# KiCad board Lime_RFE.kicad_pcb (continued)
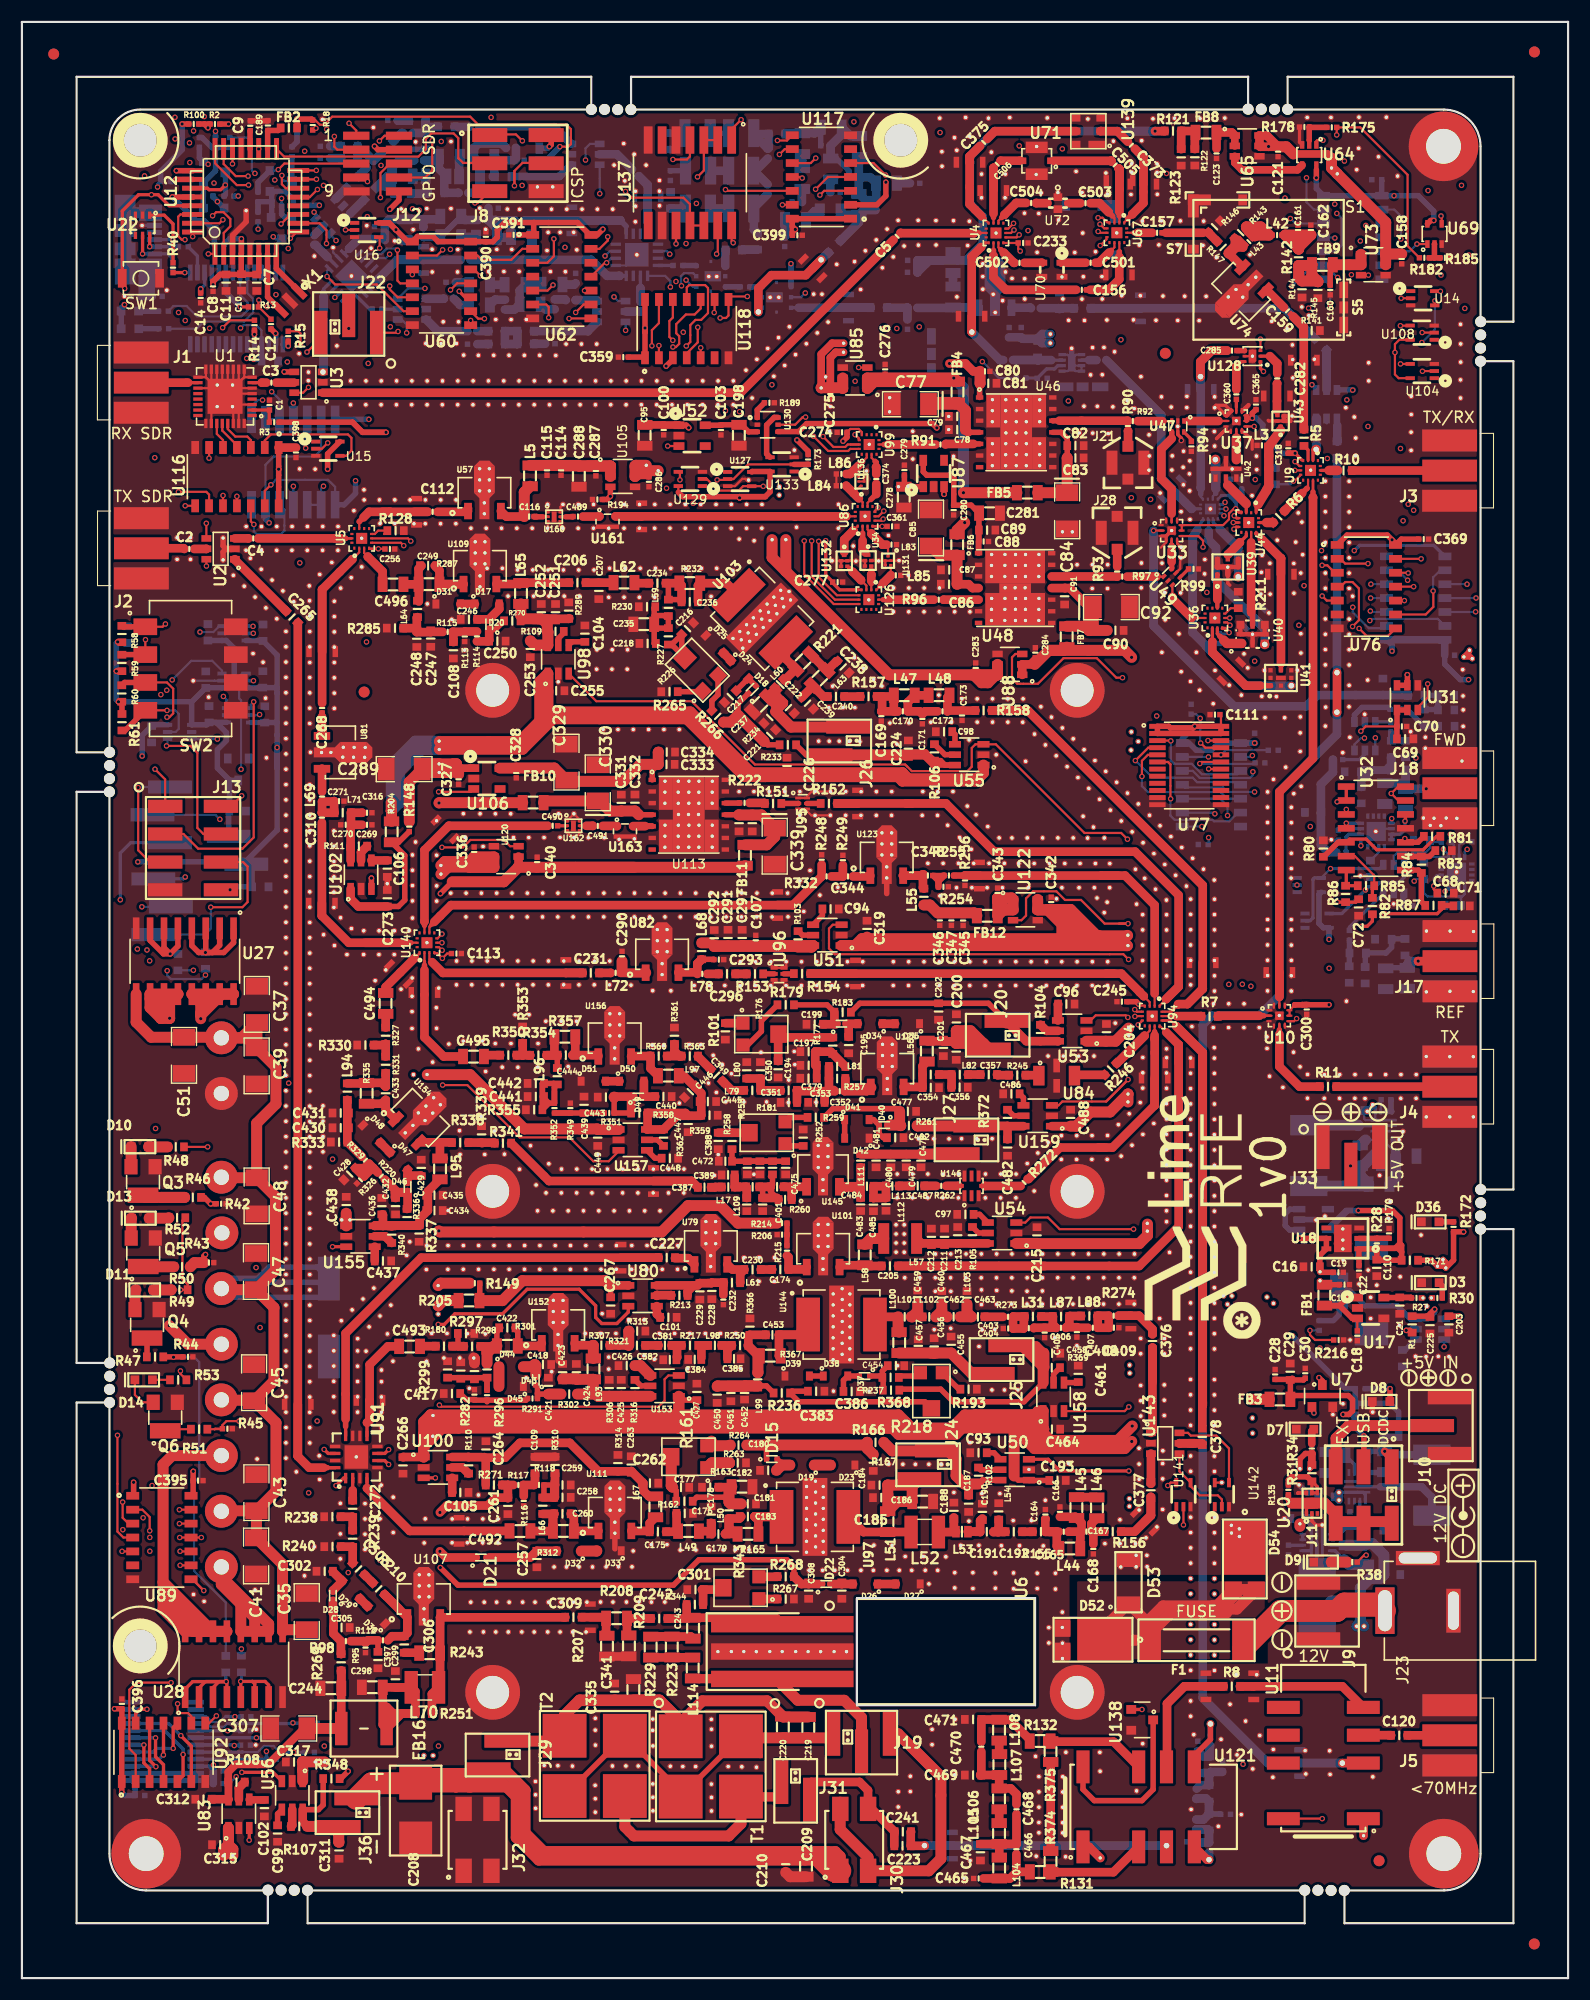
[diagram p0: board, top side]
## Placement (name value [footprint] x y rotation side) (continued)
C251  100pF_0603_GRM1885C2A101JA01D  [SMD0603]  48.7 124.64 270 top
C252  27pF_0603_C0603C270J5GAC  [SMD0603]  47.4 124.64 270 top
C253  1nF_0603_06035C102KAT2A  [SMD0603]  46.4 121.29 270 top
C254  33pF_0402_GCM1555C1H330FA16J  [SMD0402]  35.35 166.88 180 bottom
C255  1uF_0603_TMK107BJ105KA-T  [SMD0603]  48.76 117.48 180 top
C256  100pF_0402_GCM1555C1H101JA16D  [SMD0402]  33.58 130.41 0 top
C257  100nF_0603_C0603C104M5RACTU  [SMD0603]  47 38.24 270 top
C258  100pF_0603_GRM1885C2A101JA01D  [SMD0603]  49.33 43.87 0 top
C259  27pF_0603_C0603C270J5GAC  [SMD0603]  49.33 45 0 top
C260  47pF_0603_GRM1885C2A470JA01J  [SMD0603]  49.33 42.37 180 top
C261  100nF_0603_C0603C104M5RACTU  [SMD0603]  44.35 43.09 270 top
C262  100pF_0603_GRM1885C2A101JA01D  [SMD0603]  57.31 45.16 180 top
C263  27pF_0603_C0603C270J5GAC  [SMD0603]  55.61 46.87 270 top
C264  1nF_0603_06035C102KAT2A  [SMD0603]  42.35 48.24 90 top
C265  100nF_0603_C0603C104M5RACTU  [SMD0603]  24.65 124.21 135 top
C266  1uF_0603_TMK107BJ105KA-T  [SMD0603]  34.77 46.78 90 top
C267  1uF_0603_TMK107BJ105KA-T  [SMD0603]  53.72 61.37 90 top
C268  56pF_0402_GCM1555C1H560JA16D  [SMD0402]  27.4 115.9 270 top
C269  56pF_0402_GCM1555C1H560JA16D  [SMD0402]  31.5 105.24 180 top
C270  22pF_0402_CC0402JRNPO9BN220  [SMD0402]  29.55 105.24 0 top
C271  500f_0402_GRM1555C2AR50BA01D  [SMD0402]  28.94 107.4 0 top
C272  100nF_0603_C0603C104M5RACTU  [SMD0603]  30.18 42.83 90 top
C273  1uF_0603_TMK107BJ105KA-T  [SMD0603]  33.35 98.54 270 top
C274  100pF_0402_GCM1555C1H101JA16D  [SMD0402]  74.85 141.06 180 top
C275  0.1uF_0402_Murata  [SMD0402]  73.77 144.55 270 top
C276  0.1uF_0402_Murata  [SMD0402]  78.77 146.81 90 top
C277  100pF_0402_GCM1555C1H101JA16D  [SMD0402]  74.44 127.39 0 top
C278  10uF_0805_25V_Taiyo  [SMD0805]  80.48 135.14 270 top
C279  0.1uF_0402_Murata  [SMD0402]  80.53 137.61 90 top
C280  0.1uF_0402_Murata  [SMD0402]  85.03 133.96 270 top
C281  10uF_0805_25V_Taiyo  [SMD0805]  88.3 133.68 0 top
C282  1000pF_0402_Murata  [SMD0402]  114.56 145.98 90 top
C283  0.1uF_0402_Murata  [SMD0402]  87.04 119.56 90 top
C284  0.1uF_0402_Murata  [SMD0402]  92.48 120.95 90 top
C285  1000pF_0402_Murata  [SMD0402]  110.43 148.52 180 top
C286  0.1uF_0402_Murata  [SMD0402]  57.22 136.54 270 top
C287  0.1uF_0402_Murata  [SMD0402]  52.38 137.53 270 top
C288  10uF_0805_TMK212BBJ106MG-T  [SMD0805]  50.84 137.04 270 top
C289  10uF_1206_Taiyo  [SMD1206]  34.88 110.32 180 top
C290  400f_0402_GJM1555C1HR40WB01D  [SMD0402]  54.76 93.24 90 top
C291  100pF_0603_GRM1885C2A101JA01D  [SMD0603]  64.43 94.91 90 top
C292  18pF_0603_GRM1885C1H180JA01J  [SMD0603]  63.18 94.89 90 top
C293  700f_0402_GRM1555C2AR70BA01D  [SMD0402]  63.6 92.94 0 top
C294  100nF_0603_C0603C104M5RACTU  [SMD0603]  118.52 149.08 315 bottom
C295  18pF_0402_GCQ1555C1H180FB01D  [SMD0402]  35.22 168.37 0 bottom
C296  18pF_0603_GRM1885C1H180JA01J  [SMD0603]  64.35 91.64 180 top
C297  1nF_0603_06035C102KAT2A  [SMD0603]  65.73 94.91 90 top
C298  1uF_0805  [SMD0805]  31.97 26.53 180 top
C299  100nF_0603_C0603C104M5RACTU  [SMD0603]  34.08 27.27 90 top
C300  100pF_0402_GCM1555C1H101JA16D  [SMD0402]  117.25 88.39 270 top
C301  100nF_0603_C0603C104M5RACTU  [SMD0603]  61.47 35.45 0 top
C302  100nF_0603_C0603C104M5RACTU  [SMD0603]  27.63 37.12 180 top
C303  100nF_0603_C0603C104M5RACTU  [SMD0603]  30.72 37.34 135 top
C304  100nF_0603_C0603C104M5RACTU  [SMD0603]  74.82 35.36 270 top
C305  100nF_0603_C0603C104M5RACTU  [SMD0603]  29.17 31.99 0 top
C306  1500pF_0603_GRM1885C1H152JA01D  [SMD0603]  34.88 30.44 90 top
C307  10uF_1206_Taiyo  [SMD1206]  24.36 22.78 180 top
C308  100nF_0603_C0603C104M5RACTU  [SMD0603]  71.79 35.36 270 top
C309  100nF_0603_C0603C104M5RACTU  [SMD0603]  50.33 32.93 180 top
C310  56pF_0402_GCM1555C1H560JA16D  [SMD0402]  27.37 105.89 270 top
C311  1nF_0603_06035C102KAT2A  [SMD0603]  28.94 11.64 270 top
C312  1nF_0603_06035C102KAT2A  [SMD0603]  16.57 16.32 180 top
C313  100nF_0603_C0603C104M5RACTU  [SMD0603]  120.01 139.49 90 bottom
C314  330pF_0402_GCM1555C1H331FA16D  [SMD0402]  27.68 167.17 180 bottom
C315  1uF_0603_TMK107BJ105KA-T  [SMD0603]  18.09 12.17 0 top
C316  100nF_0402_GRM155R71C104KA88J  [SMD0402]  31.5 106.34 0 top
C317  1uF_0603_TMK107BJ105KA-T  [SMD0603]  24.84 19.72 0 top
C318  100pF_0402_GCM1555C1H101JA16D  [SMD0402]  115.56 139.6 90 top
C319  1uF_0603_TMK107BJ105KA-T  [SMD0603]  77.13 95.74 270 top
C320  91pF_0402_GRM1555C1H910GA01D  [SMD0402]  45.4 165.89 0 bottom
C321  18pF_0402_GJM1555C1H180GB01D  [SMD0402]  44.63 167.02 0 bottom
C322  180pF_0603_06035A181GAT2A  [SMD0603]  42.56 162.91 0 bottom
C323  27pF_0402_04025U270GAT2A  [SMD0402]  40.29 162.91 0 bottom
C324  180pF_0603_06035A181GAT2A  [SMD0603]  37.8 162.92 180 bottom
C325  6pF_0402_GCM1555C1H6R0FA16D  [SMD0402]  36.25 165.87 0 bottom
C326  100pF_0603_06035A101GAT2A  [SMD0603]  34.72 162.85 0 bottom
C327  0.1uF_0402_Murata  [SMD0402]  39.85 109.39 270 top
C328  0.1uF_0402_Murata  [SMD0402]  45.11 109.97 270 top
C329  10uF_1206_Taiyo  [SMD1206]  49.7 110.96 90 top
C330  10uF_1206_Tantalum_Kemet  [SMD1206_TANTAL]  52.55 109.07 90 top
C331  0.1uF_0603_Murata  [SMD0603]  54.7 107.24 90 top
C332  1nF_0603_Murata_GCJ  [SMD0603]  55.94 107.26 90 top
C333  0.01uF_0603_Murata  [SMD0603]  58.82 110.76 0 top
C334  100pF_0603_Murata_GCM  [SMD0603]  58.85 111.88 0 top
C335  100nF_0603_C0603C104M5RACTU  [SMD0603]  54.09 26.13 270 top
C336  0.1uF_0402_Murata  [SMD0402]  41.27 102.76 90 top
C337  1nF_0603_Murata_GCJ  [SMD0603]  65.45 105.39 270 top
C338  0.1uF_0603_Murata  [SMD0603]  66.65 105.39 270 top
C339  10uF_1206_Tantalum_Kemet  [SMD1206_TANTAL]  68.7 103.29 270 top
C340  0.1uF_0402_Murata  [SMD0402]  47.02 101.84 90 top
C341  1uF_0805  [SMD0805]  55.81 26.33 270 top
C342  100nF_0402_GRM155R71C104KA88J  [SMD0402]  93.93 98.19 90 top
C343  100nF_0402_GRM155R71C104KA88J  [SMD0402]  89.04 99.02 90 top
C344  15pF_0402_Murata  [SMD0402]  75.38 100.54 180 top
C345  100nF_0402_GRM155R71C104KA88J  [SMD0402]  85.89 96.51 270 top
C346  100pF_0402_Murata  [SMD0402]  83.76 96.52 90 top
C347  15pF_0402_Murata  [SMD0402]  84.82 96.52 90 top
C348  15pF_0402_Murata  [SMD0402]  82.67 100.61 180 top
C349  2.7pF_0603_KEMET  [SMD0603]  63.4 82.39 135 top
C350  3.9pF_0603_KEMET  [SMD0603]  67.4 82.84 270 top
C351  120pF_0603_KEMET  [SMD0603]  69.97 81.01 180 top
C352  3.9pF_0603_KEMET  [SMD0603]  72.5 79.91 180 top
C353  22pF_0603  [SMD0402]  74.63 80.94 180 top
C354  1.5pF_0603_KEMET  [SMD0603]  82.94 81.26 0 top
C355  330pF_0603_GCM1885C2A331FA16D  [SMD0603]  82.94 82.45 0 top
C356  5.6pF_0603_CBR06C569D5GAC  [SMD0603]  85.57 81.29 0 top
C357  1pF_0603_Kemet  [SMD0603]  88.23 82.45 180 top
C358  1uF_0402_GCM155C71A105KE38D  [SMD0402]  126.48 97.87 180 bottom
C359  100nF_0402_GRM155R71C104KA88J  [SMD0402]  54.88 147.92 0 top
C360  1000pF_0402_Murata  [SMD0402]  110.82 144.52 270 top
C361  100pF_0402_GCM1555C1H101JA16D  [SMD0402]  79.4 132.48 0 top
C362  100nF_0402_GRM155R71C104KA88J  [SMD0402]  130.29 120.73 180 bottom
C363  100pF_0402_GCM1555C1H101JA16D  [SMD0402]  111.29 136.33 90 bottom
C364  100pF_0402_GCM1555C1H101JA16D  [SMD0402]  110.32 136.34 90 bottom
C365  100pF_0402_GCM1555C1H101JA16D  [SMD0402]  112.61 143.59 90 top
C366  56pF_0402_GCM1555C1H560FA16D  [SMD0402]  27.67 166.08 180 bottom
C367  27pF_0402_GCM1555C1H270FA16D  [SMD0402]  31.78 165.52 45 bottom
C368  100pF_0402_GCM1555C1H101JA16D  [SMD0402]  109.27 122.23 270 bottom
C369  100nF_0402_GRM155R71C104KA88J  [SMD0402]  127.92 131.31 180 top
C370  100nF_0402_CC0402ZRY5V7BB104  [SMD0402]  41.11 149.11 180 bottom
C371  100nF_0402_CC0402ZRY5V7BB104  [SMD0402]  48.2 149.14 0 bottom
C372  100nF_0402_CC0402ZRY5V7BB104  [SMD0402]  41.11 150.29 0 bottom
C373  1000pF_0402_GRM1555C1H102FA01D  [SMD0402]  101.24 167.26 315 top
C374  1000pF_0402_Murata  [SMD0402]  77.97 136.79 90 top
C375  1000pF_0402_GRM1555C1H102FA01D  [SMD0402]  87.77 167.52 45 top
C376  1500pF_0603_GRM1885C1H152JA01D  [SMD0603]  103.17 58.14 90 top
C377  1500pF_0603_GRM1885C1H152JA01D  [SMD0603]  103.02 44.51 90 top
C378  1500pF_0603_GRM1885C1H152JA01D  [SMD0603]  107.72 49.39 90 top
C379  47nF_0603_Kemet  [SMD0603]  71.78 82.11 180 top
C380  47nF_0603_Kemet  [SMD0603]  85.26 84.54 90 top
C381  120pF_0603_KEMET  [SMD0603_gap05]  58.68 57.74 180 top
C382  18pF_0603_Kemet  [SMD0603_gap05]  59.13 56.43 180 top
C383  100nF_0603_C0603C104M5RACTU  [SMD0603]  72.48 53.55 180 top
C384  15pF_0603_Kemet  [SMD0603_gap05]  61.4 56.45 180 top
C385  8.2pF_0603_Kemet  [SMD0603_gap05]  64.98 56.52 0 top
C386  100nF_0603_C0603C104M5RACTU  [SMD0603]  75.72 53.53 0 top
C387  4pF_0603_Kemet  [SMD0603_gap05]  62.28 72.17 180 top
C388  100nF_0603_C0603C104M5RACTU  [SMD0603]  63.55 76.39 90 top
C389  3.1pF_0603_Kemet_CBR  [SMD0603_gap05]  64.45 73.29 0 top
C390  100nF_0402_GRM155R71C104KA88J  [SMD0402]  42.34 158.9 270 top
C391  100nF_0402_GRM155R71C104KA88J  [SMD0402]  44.88 159.07 0 top
C392  100nF_0402_GRM155R71C104KA88J  [SMD0402]  123.64 164.11 0 bottom
C393  2.2nF_0402_GRM155R71E222KA01D  [SMD0402]  124.49 80.15 0 bottom
C394  100nF_0402_GRM155R71C104KA88J  [SMD0402]  112.49 113.16 270 bottom
C395  100nF_0402_GRM155R71C104KA88J  [SMD0402]  16.08 45.39 180 top
C396  100nF_0402_GRM155R71C104KA88J  [SMD0402]  9.12 25.02 270 top
C397  100nF_0603_C0603C104M5RACTU  [SMD0603]  32.49 29.02 270 top
C398  100nF_0402_GRM155R71C104KA88J  [SMD0402]  25.01 139.21 90 top
C399  100nF_0402_GRM155R71C104KA88J  [SMD0402]  70.76 159.04 180 top
C400  5pF_0603_Kemet  [SMD0603_gap05]  66.68 72.21 180 top
C401  8.2pF_0603_Kemet  [SMD0603_gap05]  67.6 70.59 270 top
C402  100nF_0603_C0603C104M5RACTU  [SMD0603]  79.7 76.69 0 top
C403  9.2pF_0402_GJM1555C1H9R2BB01D  [SMD0402]  90 59.28 180 top
C404  5.7pF_0402_GRM1555C1H5R7BA01D  [SMD0402]  91.88 59.31 180 top
C405  12pF_0402_GCQ1555C1H120FB01D  [SMD0402]  93.33 58.9 270 top
C406  7.8pF_0402_GRM0225C1E7R8DA03L  [SMD0402]  94.82 59.34 180 top
C407  15pF_0402_GCQ1555C1H150FB01D  [SMD0402]  96.27 58.94 270 top
C408  1pF_0402_GCQ1555C1H1R0BB01D  [SMD0402]  97.73 59.35 180 top
C409  9.6pF_0402_GCQ1555C1H9R6BB01D  [SMD0402]  99.65 59.35 0 top
C410  27pF_0402_GCM1555C1H270FA16D  [SMD0402]  106.76 12.44 180 bottom
C411  22pF_0402_CC0402JRNPO9BN220  [SMD0402]  107.17 14.02 270 bottom
C412  56pF_0402_GCM1555C1H560JA16D  [SMD0402]  109.84 14.94 0 bottom
C413  27pF_0402_GCM1555C1H270FA16D  [SMD0402]  107.21 16.84 270 bottom
C414  68pF_0402_GCM1555C1H680FA16J  [SMD0402]  109.59 19.37 90 bottom
C415  8.1pF_0402_GJM1555C1H8R1BB01D  [SMD0402]  107.23 19.13 270 bottom
C416  47pF_0402_GCQ1555C1H470JB01D  [SMD0402]  107.31 21.17 90 bottom
C417  100nF_0603_C0603C104M5RACTU  [SMD0603]  39.25 53.34 180 top
C418  100nF_0603_C0603C104M5RACTU  [SMD0603]  47.55 55.99 0 top
C419  100pF_0603_GRM1885C2A101JA01D  [SMD0603]  40.05 55.44 90 top
C420  27pF_0603_C0603C270J5GAC  [SMD0603]  41.3 55.39 90 top
C421  100nF_0603_C0603C104M5RACTU  [SMD0603]  48.05 54.04 90 top
C422  47pF_0603_GRM1885C2A470JA01J  [SMD0603]  44.3 59.34 180 top
C423  100pF_0603_GRM1885C2A101JA01D  [SMD0603]  49.35 55.29 270 top
C424  27pF_0603_C0603C270J5GAC  [SMD0603]  50.6 55.29 270 top
C425  1nF_0603_06035C102KAT2A  [SMD0603]  54.7 53.84 90 top
C426  1nF_0603_06035C102KAT2A  [SMD0603]  55.2 55.89 180 top
C427  1uF_0603_TMK107BJ105KA-T  [SMD0603]  61.6 53.49 270 top
C428  100nF_0603_C0603C104M5RACTU  [SMD0603]  29.91 73.37 225 top
C429  100nF_0603_C0603C104M5RACTU  [SMD0603]  36.44 73.93 90 top
C430  100pF_0603_GRM1885C2A101JA01D  [SMD0603]  29.1 77.59 180 top
C431  27pF_0603_C0603C270J5GAC  [SMD0603]  29.1 78.94 180 top
C432  100nF_0603_C0603C104M5RACTU  [SMD0603]  34.1 70.44 270 top
C433  47pF_0603_GRM1885C2A470JA01J  [SMD0603]  33.2 80.74 90 top
C434  100pF_0603_GRM1885C2A101JA01D  [SMD0603]  37.65 70.04 180 top
C435  27pF_0603_C0603C270J5GAC  [SMD0603]  37.65 71.44 180 top
C436  1nF_0603_06035C102KAT2A  [SMD0603]  32.85 70.44 90 top
C437  1nF_0603_06035C102KAT2A  [SMD0603]  32.95 65.44 0 top
C438  1uF_0603_TMK107BJ105KA-T  [SMD0603]  29.6 70.54 270 top
C439  100nF_0603_C0603C104M5RACTU  [SMD0603]  51.3 79.69 90 top
C440  100nF_0603_C0603C104M5RACTU  [SMD0603]  58.55 80.44 0 top
C441  100pF_0603_GRM1885C2A101JA01D  [SMD0603]  46.9 80.44 180 top
C442  27pF_0603_C0603C270J5GAC  [SMD0603]  46.9 81.64 180 top
C443  100nF_0603_C0603C104M5RACTU  [SMD0603]  53.3 80.39 180 top
C444  47pF_0603_GRM1885C2A470JA01J  [SMD0603]  49.64 84.22 180 top
C445  100pF_0603_GRM1885C2A101JA01D  [SMD0603]  62.6 79.99 180 top
C446  27pF_0603_C0603C270J5GAC  [SMD0603]  61 80.89 45 top
C447  1nF_0603_06035C102KAT2A  [SMD0603]  60.8 77.94 270 top
C448  1nF_0603_06035C102KAT2A  [SMD0603]  59.13 74.81 0 top
C449  1uF_0603_TMK107BJ105KA-T  [SMD0603]  52.55 76.69 90 top
C450  1uF_0603_TMK107BJ105KA-T  [SMD0603]  63.45 53.24 270 top
C451  1500pF_0603_GRM1885C1H152JA01D  [SMD0603]  64.7 53.39 270 top
C452  100pF_0603_Kemet  [SMD0603_gap05]  65.95 53.39 270 top
C453  47pF_0603_Kemet  [SMD0603_gap05]  68.49 58.7 180 top
C454  100nF_0603_C0603C104M5RACTU  [SMD0603]  79.76 55.88 0 top
C455  1uF_0603_TMK107BJ105KA-T  [SMD0603]  84.8 57.79 270 top
C456  1500pF_0603_GRM1885C1H152JA01D  [SMD0603]  83.25 57.64 270 top
C457  100pF_0603_Kemet  [SMD0603_gap05]  81.8 57.69 270 top
C458  1nF_0603_06035C102KAT2A  [SMD0603]  94.01 57.02 0 top
C459  47pF_0603_Kemet  [SMD0603_gap05]  81.75 62.14 270 top
C460  1pF_0603_Kemet  [SMD0603_gap05]  83.95 62.09 90 top
C461  1nF_0603_06035C102KAT2A  [SMD0603]  96.4 55.14 90 top
C462  47pF_0603_Kemet  [SMD0603_gap05]  85.03 60.35 180 top
C463  47pF_0603_Kemet  [SMD0603_gap05]  87.24 60.35 180 top
C464  1uF_0603_TMK107BJ105KA-T  [SMD0603]  94 50.09 180 top
C465  91pF_0402_GRM1555C1H910GA01D  [SMD0402]  87.3 9.09 180 top
C466  18pF_0402_GJM1555C1H180GB01D  [SMD0402]  90.75 11.76 270 top
C467  180pF_0603_06035A181GAT2A  [SMD0603]  87.47 11.48 270 top
C468  27pF_0402_04025U270GAT2A  [SMD0402]  90.76 15.4 270 top
C469  180pF_0603_06035A181GAT2A  [SMD0603]  86.8 18.52 180 top
C470  6pF_0402_GCM1555C1H6R0FA16D  [SMD0402]  87.55 21.11 270 top
C471  100pF_0603_06035A101GAT2A  [SMD0603]  86.8 23.6 180 top
C472  10uF_0603_Murata_GRM  [SMD0603_gap05]  64.2 74.54 180 top
C473  47nF_0603_Kemet  [SMD0603_gap05]  66.2 73.94 270 top
C474  100pF_0603_Kemet  [SMD0603_gap05]  67.35 73.94 270 top
C475  27pF_0603_Kemet  [SMD0603_gap05]  69.7 73.94 270 top
C476  22pF_0603_Kemet  [SMD0603_gap05]  68.91 72.21 180 top
C477  100nF_0603_C0603C104M5RACTU  [SMD0603]  80.85 79.09 0 top
C478  10uF_0603_Murata_GRM  [SMD0603_gap05]  82.05 74.59 90 top
C479  47nF_0603_Kemet  [SMD0603_gap05]  80.7 74.59 90 top
C480  100pF_0603_Kemet  [SMD0603_gap05]  79.3 74.59 90 top
C481  27pF_0603_Kemet  [SMD0603_gap05]  77.95 74.59 90 top
C482  1nF_0603_06035C102KAT2A  [SMD0603]  89.95 75.79 270 top
C483  8pF_0603_Kemet  [SMD0603_gap05]  76.53 70.6 270 top
C484  22pF_0603_Kemet  [SMD0603_gap05]  77.11 72.26 180 top
C485  5pF_0603_Kemet  [SMD0603_gap05]  77.71 70.59 270 top
C486  1nF_0603_06035C102KAT2A  [SMD0603]  90.3 80.69 180 top
C487  27pF_0603_Kemet  [SMD0603_gap05]  81.75 72.29 180 top
C488  1uF_0603_TMK107BJ105KA-T  [SMD0603]  95.7 78.49 270 top
C489  100pF_0402_GCM1555C1H101JA16D  [SMD0402]  50.74 133.37 180 top
C490  100pF_0402_GCM1555C1H101JA16D  [SMD0402]  48.44 105.15 180 top
C491  100pF_0402_GCM1555C1H101JA16D  [SMD0402]  52.55 105.14 180 top
C492  150pF_0805  [SMD0805]  45.45 40.81 0 top
C493  150pF_0805  [SMD0805]  35.38 57.65 0 top
C494  150pF_0805  [SMD0805]  33.2 88.94 270 top
C495  150pF_0805  [SMD0805]  41.21 84.1 0 top
C496  47pF_0805_KEMET  [SMD0805]  33.86 127.19 0 top
C497  1uF_0402_GCM155C71A105KE38D  [SMD0402]  50.08 153.13 180 bottom
C498  1uF_0402_GCM155C71A105KE38D  [SMD0402]  38.95 153.26 180 bottom
C499  1uF_0402_GCM155C71A105KE38D  [SMD0402]  45.42 160.41 180 bottom
C500  1uF_0402_GCM155C71A105KE38D  [SMD0402]  32.64 158.69 180 bottom
C501  1000pF_0402_GRM1555C1H102GA01D  [SMD0402]  97.52 156.54 0 top
C502  1000pF_0402_GRM1555C1H102GA01D  [SMD0402]  91.03 156.53 0 top
C503  1000pF_0402_GRM1555C1H102GA01D  [SMD0402]  97.06 161.97 0 top
C504  1000pF_0402_GRM1555C1H102GA01D  [SMD0402]  92.1 161.99 0 top
C505  1000pF_0402_GRM1555C1H102GA01D  [SMD0402]  99.76 165.46 315 top
C506  1000pF_0402_GRM1555C1H102GA01D  [SMD0402]  89 165.53 45 top
C507  10uF_0603_GRM188R61E106KA73J  [SMD0603]  121.74 79.16 0 bottom
C508  10uF_0603_GRM188R61E106KA73J  [SMD0603]  123.98 74.74 90 bottom
CON1  47346-0001  [USB-MINI-B]  9.43 158.64 90 bottom
D1  LED0603_RED  [LED_0603]  9.86 150.51 0 bottom
D2  LED0603_GREEN  [LED_0603]  9.85 152.12 0 bottom
D3  LED0603_GREEN  [LED_0603]  128.53 63.46 180 top
D4  -  [NSR20F30NXT5G]  125.63 49.92 270 bottom
D5  -  [NSR20F30NXT5G]  121.67 51.56 270 bottom
D6  -  [NSR20F30NXT5G]  47.21 166.61 90 bottom
D7  LED0603_GREEN  [LED_0603]  117.1 50.09 180 top
D8  LED0603_GREEN  [LED_0603]  124.03 52.62 180 top
D9  LED0603_GREEN  [LED_0603]  118.68 37.96 180 top
D10  LED0603_GREEN  [LED_0603]  10.77 75.87 180 top
D11  LED0603_GREEN  [LED_0603]  11.2 62.8 180 top
D12  -  [GSOT03-E3-08]  19.74 110.29 0 bottom
D13  LED0603_GREEN  [LED_0603]  10.81 69.34 180 top
D14  LED0603_GREEN  [LED_0603]  11.11 54.59 180 top
D15  ZENER_Diode_5.09V_CDZFHT2RA5.1B  [VMN2]  68.44 47.36 90 top
D16  ZENER_Diode_5.09V_CDZFHT2RA5.1B  [VMN2]  74.8 87.09 90 top
D17  Diode_BAS16HT1G  [BAS16HT1G]  42.45 125.39 0 top
D18  ZENER_Diode_5.09V_CDZFHT2RA5.1B  [VMN2]  66.65 117.59 135 top
D19  Diode_BAS16HT1G  [BAS16HT1G]  71.19 46.81 180 top
D20  ZENER_Diode_5.09V_CDZFHT2RA5.1B  [VMN2]  42.65 123.54 180 top
D21  ZENER_Diode_5.09V_CDZFHT2RA5.1B  [VMN2]  41.88 38.39 90 top
D22  ZENER_Diode_5.09V_CDZFHT2RA5.1B  [VMN2]  73.4 35.97 90 top
D23  Diode_BAS16HT1G  [BAS16HT1G]  74.9 46.81 180 top
D24  Diode_BAS16HT1G  [BAS16HT1G]  65.5 119.39 315 top
D25  Diode_BAS16HT1G  [BAS16HT1G]  63.2 121.74 315 top
D26  Diode_BAS16HT1G  [BAS16HT1G]  76.96 35.96 180 top
D27  Diode_BAS16HT1G  [BAS16HT1G]  80.86 35.97 180 top
D28  ZENER_Diode_5.09V_CDZFHT2RA5.1B  [VMN2]  28.38 34.9 180 top
D29  Diode_BAS16HT1G  [BAS16HT1G]  30.03 35.43 135 top
D30  Diode_BAS16HT1G  [BAS16HT1G]  32.36 33.12 135 top
D31  Diode_BAS16HT1G  [BAS16HT1G]  38.9 125.39 0 top
D32  Diode_BAS16HT1G  [BAS16HT1G]  49.93 38.97 180 top
D33  Diode_BAS16HT1G  [BAS16HT1G]  53.58 38.99 180 top
D34  Diode_BAS16HT1G  [BAS16HT1G]  77.4 87.09 180 top
D35  Diode_BAS16HT1G  [BAS16HT1G]  80.8 87.09 180 top
D36  LED0603_GREEN  [LED_0603]  128.51 69.01 180 top
D37  ZENER_Diode_5.09V_CDZFHT2RA5.1B  [VMN2]  76.9 54.94 270 top
D38  Diode_BAS16HT1G  [BAS16HT1G]  74.25 54.94 0 top
D39  Diode_BAS16HT1G  [BAS16HT1G]  70.75 54.94 0 top
D40  ZENER_Diode_5.09V_CDZFHT2RA5.1B  [VMN2]  78.7 77.84 270 top
D41  Diode_BAS16HT1G  [BAS16HT1G]  76.2 78.34 0 top
D42  Diode_BAS16HT1G  [BAS16HT1G]  76.2 76.64 180 top
D43  ZENER_Diode_5.09V_CDZFHT2RA5.1B  [VMN2]  46.9 54.59 180 top
D44  Diode_BAS16HT1G  [BAS16HT1G]  44.65 55.79 0 top
D45  Diode_BAS16HT1G  [BAS16HT1G]  44.65 53.99 180 top
D46  ZENER_Diode_5.09V_CDZFHT2RA5.1B  [VMN2]  35.2 72.19 180 top
D47  Diode_BAS16HT1G  [BAS16HT1G]  34.4 74.54 315 top
D48  Diode_BAS16HT1G  [BAS16HT1G]  31.9 77.04 315 top
D49  ZENER_Diode_5.09V_CDZFHT2RA5.1B  [VMN2]  56.25 80.44 90 top
D50  Diode_BAS16HT1G  [BAS16HT1G]  55.65 81.84 0 top
D51  Diode_BAS16HT1G  [BAS16HT1G]  52.15 81.84 0 top
D52  Schottky_Diode_PMEG045V100EPDZ  [PMEG045V100EPDZ]  97.74 30.88 180 top
D53  ZENER_Diode_5.3V_P6SMB18CA  [P6SMB18CA]  100.98 36.17 90 top
D54  Schottky_Diode_PMEG045V100EPDZ  [PMEG045V100EPDZ]  111.6 38.24 270 top
F1  Fuse_3405.0174.11  [3405.0174.11]  107.19 30.83 0 top
FB1  FB_60R_0805_MMZ2012Y600BT000  [SMD0805]  118.86 62.32 270 top
FB2  10uH_0603_TDK  [SMD0603]  24.36 168.83 0 top
FB3  FB_600R_0805_MPZ2012S601AT000  [SMD0805]  114.8 52.81 0 top
FB4  FB_600R_0805_MPZ2012S601AT000  [SMD0805]  85.36 144.74 90 top
FB5  FB_600R_0805_MPZ2012S601AT000  [SMD0805]  91.75 135.55 180 top
FB6  FB_600R_0805_MPZ2012S601AT000  [SMD0805]  85.34 130.8 90 top
FB7  FB_600R_0805_MPZ2012S601AT000  [SMD0805]  95.35 122.41 270 top
FB8  FB_600R_0805_MPZ2012S601AT000  [SMD0805]  108.06 168.42 0 top
FB9  FB_600R_0805_MPZ2012S601AT000  [SMD0805]  118.67 156.35 0 top
FB10  FB_600R_0805_MPZ2012S601AT000  [SMD0805]  46.65 107.26 180 top
FB11  FB_600R_0805_MPZ2012S601AT000  [SMD0805]  66 102.46 270 top
FB12  FB_600R_0805_MPZ2012S601AT000  [SMD0805]  88.09 96.95 0 top
FB16  100uF_Ferrite_1812FS-104JLC  [SMD_1812FS-104JLC]  31.21 22.77 270 top
G***  LOGO  [LimeRFE]  107.75 69.42 90 top
GND_VIA  VAL**  [GND_VIA]  115.2 41.94 0 top
GND_VIA#2  VAL**  [GND_VIA]  130.92 100.94 0 top
GND_VIA#3  VAL**  [GND_VIA]  123.55 104.64 0 top
GND_VIA#4  VAL**  [GND_VIA]  131.51 117 180 top
GND_VIA#5  VAL**  [GND_VIA]  131.52 115.73 180 top
GND_VIA#6  VAL**  [GND_VIA]  131.52 114.23 180 top
GND_VIA#7  VAL**  [GND_VIA]  122.54 115.33 180 top
GND_VIA#8  VAL**  [GND_VIA]  126.73 113.75 180 top
GND_VIA#9  VAL**  [GND_VIA]  128.14 56.71 0 top
GND_VIA#10  VAL**  [GND_VIA]  127.17 56.73 0 top
GND_VIA#11  VAL**  [GND_VIA]  129.25 56.73 0 top
GND_VIA#12  VAL**  [GND_VIA]  130.22 56.71 0 top
GND_VIA#13  VAL**  [GND_VIA]  130.3 84.09 0 top
GND_VIA#14  VAL**  [GND_VIA]  132.45 84.08 0 top
GND_VIA#15  VAL**  [GND_VIA]  130.3 78.59 0 top
GND_VIA#16  VAL**  [GND_VIA]  128.16 84.1 0 top
GND_VIA#17  VAL**  [GND_VIA]  122.47 32.11 0 top
GND_VIA#18  VAL**  [GND_VIA]  125.72 59.58 0 top
GND_VIA#19  VAL**  [GND_VIA]  123.64 63.23 0 top
GND_VIA#20  VAL**  [GND_VIA]  127.68 67.81 0 top
GND_VIA#21  VAL**  [GND_VIA]  124.86 70.85 0 top
GND_VIA#22  VAL**  [GND_VIA]  120.57 65.52 0 top
GND_VIA#23  VAL**  [GND_VIA]  120.54 66.54 0 top
GND_VIA#24  VAL**  [GND_VIA]  125.77 64 0 top
GND_VIA#25  VAL**  [GND_VIA]  122.85 64.61 0 top
GND_VIA#26  VAL**  [GND_VIA]  123.08 62.12 0 top
GND_VIA#27  VAL**  [GND_VIA]  123.08 60.19 0 top
GND_VIA#28  VAL**  [GND_VIA]  124.71 69.33 0 top
GND_VIA#29  VAL**  [GND_VIA]  118.09 69.18 0 top
GND_VIA#30  VAL**  [GND_VIA]  129.69 65.57 0 top
GND_VIA#31  VAL**  [GND_VIA]  129.18 64.96 0 top
GND_VIA#32  VAL**  [GND_VIA]  129.94 64.81 0 top
GND_VIA#33  VAL**  [GND_VIA]  123.27 51.65 0 top
GND_VIA#34  VAL**  [GND_VIA]  120.55 52.41 0 top
GND_VIA#35  VAL**  [GND_VIA]  117.52 46.48 0 top
GND_VIA#36  VAL**  [GND_VIA]  116.63 46.48 0 top
GND_VIA#37  VAL**  [GND_VIA]  121.81 32.11 0 top
GND_VIA#38  VAL**  [GND_VIA]  128.21 61.3 0 top
GND_VIA#39  VAL**  [GND_VIA]  128.62 62.07 0 top
GND_VIA#40  VAL**  [GND_VIA]  127.86 62.07 0 top
GND_VIA#41  VAL**  [GND_VIA]  122.01 63.34 0 top
GND_VIA#42  VAL**  [GND_VIA]  120.54 68.37 0 top
GND_VIA#43  VAL**  [GND_VIA]  120.54 67.35 0 top
GND_VIA#44  VAL**  [GND_VIA]  118.46 64.45 0 top
GND_VIA#45  VAL**  [GND_VIA]  118.46 63.64 0 top
GND_VIA#46  VAL**  [GND_VIA]  10.97 159.93 90 top
GND_VIA#47  VAL**  [GND_VIA]  121.2 58.23 0 top
GND_VIA#48  VAL**  [GND_VIA]  125.18 98.03 0 top
GND_VIA#49  VAL**  [GND_VIA]  88.57 140.03 0 top
GND_VIA#50  VAL**  [GND_VIA]  88.56 139.03 0 top
GND_VIA#51  VAL**  [GND_VIA]  88.56 138.02 0 top
GND_VIA#52  VAL**  [GND_VIA]  89.78 138.02 0 top
GND_VIA#53  VAL**  [GND_VIA]  89.78 139.03 0 top
GND_VIA#54  VAL**  [GND_VIA]  89.79 140.03 0 top
GND_VIA#55  VAL**  [GND_VIA]  92.88 140.03 0 top
GND_VIA#56  VAL**  [GND_VIA]  92.87 139.03 0 top
GND_VIA#57  VAL**  [GND_VIA]  92.87 138.02 0 top
GND_VIA#58  VAL**  [GND_VIA]  91.65 138.02 0 top
GND_VIA#59  VAL**  [GND_VIA]  91.65 139.03 0 top
GND_VIA#60  VAL**  [GND_VIA]  91.66 140.03 0 top
GND_VIA#61  VAL**  [GND_VIA]  90.75 140.03 0 top
GND_VIA#62  VAL**  [GND_VIA]  90.74 139.03 0 top
GND_VIA#63  VAL**  [GND_VIA]  90.74 138.02 0 top
GND_VIA#64  VAL**  [GND_VIA]  90.74 142.03 0 top
GND_VIA#65  VAL**  [GND_VIA]  90.74 143.04 0 top
GND_VIA#66  VAL**  [GND_VIA]  90.75 144.04 0 top
GND_VIA#67  VAL**  [GND_VIA]  91.66 144.04 0 top
GND_VIA#68  VAL**  [GND_VIA]  91.65 143.04 0 top
GND_VIA#69  VAL**  [GND_VIA]  91.65 142.03 0 top
GND_VIA#70  VAL**  [GND_VIA]  92.87 142.03 0 top
GND_VIA#71  VAL**  [GND_VIA]  92.87 143.04 0 top
GND_VIA#72  VAL**  [GND_VIA]  92.88 144.04 0 top
GND_VIA#73  VAL**  [GND_VIA]  89.79 144.04 0 top
GND_VIA#74  VAL**  [GND_VIA]  89.78 143.04 0 top
GND_VIA#75  VAL**  [GND_VIA]  89.78 142.03 0 top
GND_VIA#76  VAL**  [GND_VIA]  89.8 141.01 0 top
GND_VIA#77  VAL**  [GND_VIA]  90.71 141.01 0 top
GND_VIA#78  VAL**  [GND_VIA]  88.56 142.03 0 top
GND_VIA#79  VAL**  [GND_VIA]  88.56 143.04 0 top
GND_VIA#80  VAL**  [GND_VIA]  88.57 144.04 0 top
GND_VIA#81  VAL**  [GND_VIA]  91.63 141.01 0 top
GND_VIA#82  VAL**  [GND_VIA]  118.91 69.52 90 top
GND_VIA#83  VAL**  [GND_VIA]  128.16 90 0 top
GND_VIA#84  VAL**  [GND_VIA]  132.45 90.03 0 top
GND_VIA#85  VAL**  [GND_VIA]  130.32 95.54 0 top
GND_VIA#86  VAL**  [GND_VIA]  130.32 90.05 0 top
GND_VIA#87  VAL**  [GND_VIA]  128.17 95.55 0 top
GND_VIA#88  VAL**  [GND_VIA]  132.46 95.5 0 top
GND_VIA#89  VAL**  [GND_VIA]  128.52 105.19 0 top
GND_VIA#90  VAL**  [GND_VIA]  129.48 105.16 0 top
GND_VIA#91  VAL**  [GND_VIA]  128.86 105.84 0 top
GND_VIA#92  VAL**  [GND_VIA]  127.9 105.86 0 top
GND_VIA#93  VAL**  [GND_VIA]  129.98 105.86 0 top
GND_VIA#94  VAL**  [GND_VIA]  130.95 105.84 0 top
GND_VIA#95  VAL**  [GND_VIA]  128.07 112.23 0 top
GND_VIA#96  VAL**  [GND_VIA]  128.07 113.23 0 top
GND_VIA#97  VAL**  [GND_VIA]  131.48 119.41 0 top
GND_VIA#98  VAL**  [GND_VIA]  118.65 41.35 0 top
GND_VIA#99  VAL**  [GND_VIA]  116.62 41.45 0 top
GND_VIA#100  VAL**  [GND_VIA]  120.19 44.31 0 top
GND_VIA#101  VAL**  [GND_VIA]  120.2 43.61 0 top
GND_VIA#102  VAL**  [GND_VIA]  119.64 51.42 0 top
GND_VIA#103  VAL**  [GND_VIA]  26.27 120.05 90 top
GND_VIA#104  VAL**  [GND_VIA]  106.65 83.96 90 top
GND_VIA#105  VAL**  [GND_VIA]  100.93 94.22 90 top
GND_VIA#106  VAL**  [GND_VIA]  100.92 95.17 90 top
GND_VIA#107  VAL**  [GND_VIA]  112.3 148.01 90 top
GND_VIA#108  VAL**  [GND_VIA]  117.61 137.6 0 top
GND_VIA#109  VAL**  [GND_VIA]  110.82 142.12 0 top
GND_VIA#110  VAL**  [GND_VIA]  110.44 137.72 0 top
GND_VIA#111  VAL**  [GND_VIA]  111.95 132.82 0 top
GND_VIA#112  VAL**  [GND_VIA]  115.91 142.55 0 top
GND_VIA#113  VAL**  [GND_VIA]  110.04 128.76 0 top
GND_VIA#114  VAL**  [GND_VIA]  108.86 124.12 0 top
GND_VIA#115  VAL**  [GND_VIA]  112.3 122.64 0 top
GND_VIA#116  VAL**  [GND_VIA]  104.92 132.09 0 top
GND_VIA#117  VAL**  [GND_VIA]  68.27 153.38 0 top
GND_VIA#118  VAL**  [GND_VIA]  69.07 153.38 0 top
GND_VIA#119  VAL**  [GND_VIA]  63.4 155.28 0 top
GND_VIA#120  VAL**  [GND_VIA]  62.68 155.28 0 top
GND_VIA#121  VAL**  [GND_VIA]  79.17 142.93 0 top
GND_VIA#122  VAL**  [GND_VIA]  79.19 144.22 0 top
GND_VIA#123  VAL**  [GND_VIA]  84.58 142.51 0 top
GND_VIA#124  VAL**  [GND_VIA]  84.57 141.31 0 top
GND_VIA#125  VAL**  [GND_VIA]  77.28 125.77 0 top
GND_VIA#126  VAL**  [GND_VIA]  76.94 133.41 0 top
GND_VIA#127  VAL**  [GND_VIA]  88.89 159.24 0 top
GND_VIA#128  VAL**  [GND_VIA]  99.91 159.25 0 top
GND_VIA#129  VAL**  [GND_VIA]  89.49 153.08 0 top
GND_VIA#130  VAL**  [GND_VIA]  88.82 151.99 0 top
GND_VIA#131  VAL**  [GND_VIA]  88.64 153.65 0 top
GND_VIA#132  VAL**  [GND_VIA]  87.69 154.12 0 top
GND_VIA#133  VAL**  [GND_VIA]  90.36 155.1 0 top
GND_VIA#134  VAL**  [GND_VIA]  89.76 155.7 0 top
GND_VIA#135  VAL**  [GND_VIA]  91.5 155.08 0 top
GND_VIA#136  VAL**  [GND_VIA]  87.68 156.45 0 top
GND_VIA#137  VAL**  [GND_VIA]  87.69 155.27 0 top
GND_VIA#138  VAL**  [GND_VIA]  56.12 157.26 0 top
GND_VIA#139  VAL**  [GND_VIA]  30.07 155.32 0 top
GND_VIA#140  VAL**  [GND_VIA]  50.24 19.34 90 top
GND_VIA#141  VAL**  [GND_VIA]  48.91 19.38 90 top
GND_VIA#142  VAL**  [GND_VIA]  47.66 19.41 90 top
GND_VIA#143  VAL**  [GND_VIA]  53.89 19.35 90 top
GND_VIA#144  VAL**  [GND_VIA]  55.12 19.36 90 top
GND_VIA#145  VAL**  [GND_VIA]  56.25 19.35 90 top
GND_VIA#146  VAL**  [GND_VIA]  61.48 19.3 90 top
GND_VIA#147  VAL**  [GND_VIA]  60.31 19.3 90 top
GND_VIA#148  VAL**  [GND_VIA]  59.17 19.33 90 top
GND_VIA#149  VAL**  [GND_VIA]  62.92 23.61 90 top
GND_VIA#150  VAL**  [GND_VIA]  62.93 21.16 90 top
GND_VIA#151  VAL**  [GND_VIA]  62.93 16.49 90 top
GND_VIA#152  VAL**  [GND_VIA]  62.93 15.25 90 top
GND_VIA#153  VAL**  [GND_VIA]  62.92 17.7 90 top
GND_VIA#154  VAL**  [GND_VIA]  52.33 23.71 90 top
GND_VIA#155  VAL**  [GND_VIA]  52.34 21.26 90 top
GND_VIA#156  VAL**  [GND_VIA]  52.32 16.37 90 top
GND_VIA#157  VAL**  [GND_VIA]  52.33 15.14 90 top
GND_VIA#158  VAL**  [GND_VIA]  52.31 17.59 90 top
GND_VIA#159  VAL**  [GND_VIA]  57.58 21.18 90 top
GND_VIA#160  VAL**  [GND_VIA]  57.57 23.63 90 top
GND_VIA#161  VAL**  [GND_VIA]  57.57 17.72 90 top
GND_VIA#162  VAL**  [GND_VIA]  57.58 15.27 90 top
GND_VIA#163  VAL**  [GND_VIA]  57.58 16.5 90 top
GND_VIA#164  VAL**  [GND_VIA]  67.03 19.24 90 top
GND_VIA#165  VAL**  [GND_VIA]  65.7 19.28 90 top
GND_VIA#166  VAL**  [GND_VIA]  64.45 19.31 90 top
GND_VIA#167  VAL**  [GND_VIA]  46.86 17.94 90 top
GND_VIA#168  VAL**  [GND_VIA]  46.88 15.49 90 top
GND_VIA#169  VAL**  [GND_VIA]  46.87 16.73 90 top
GND_VIA#170  VAL**  [GND_VIA]  85.98 9.09 0 top
GND_VIA#171  VAL**  [GND_VIA]  87.54 63.91 90 top
GND_VIA#172  VAL**  [GND_VIA]  87.55 66.08 90 top
GND_VIA#173  VAL**  [GND_VIA]  93.13 63.91 90 top
GND_VIA#174  VAL**  [GND_VIA]  93.14 66.08 90 top
GND_VIA#175  VAL**  [GND_VIA]  88.94 63.91 90 top
GND_VIA#176  VAL**  [GND_VIA]  88.95 66.08 90 top
GND_VIA#177  VAL**  [GND_VIA]  90.35 66.08 90 top
GND_VIA#178  VAL**  [GND_VIA]  91.74 66.08 90 top
GND_VIA#179  VAL**  [GND_VIA]  90.34 63.91 90 top
GND_VIA#180  VAL**  [GND_VIA]  91.73 63.91 90 top
GND_VIA#181  VAL**  [GND_VIA]  86.14 63.91 90 top
GND_VIA#182  VAL**  [GND_VIA]  84.75 63.91 90 top
GND_VIA#183  VAL**  [GND_VIA]  86.16 66.08 90 top
GND_VIA#184  VAL**  [GND_VIA]  84.76 66.08 90 top
GND_VIA#185  VAL**  [GND_VIA]  83.36 66.08 90 top
GND_VIA#186  VAL**  [GND_VIA]  83.35 63.91 90 top
GND_VIA#187  VAL**  [GND_VIA]  80.52 66.24 90 top
GND_VIA#188  VAL**  [GND_VIA]  81.95 63.91 90 top
GND_VIA#189  VAL**  [GND_VIA]  94.53 63.91 90 top
GND_VIA#190  VAL**  [GND_VIA]  94.54 66.08 90 top
GND_VIA#191  VAL**  [GND_VIA]  95.94 66.08 90 top
GND_VIA#192  VAL**  [GND_VIA]  97.33 66.08 90 top
GND_VIA#193  VAL**  [GND_VIA]  95.92 63.91 90 top
GND_VIA#194  VAL**  [GND_VIA]  97.32 63.91 90 top
GND_VIA#195  VAL**  [GND_VIA]  101.51 63.91 90 top
GND_VIA#196  VAL**  [GND_VIA]  101.52 66.08 90 top
GND_VIA#197  VAL**  [GND_VIA]  100.13 66.08 90 top
GND_VIA#198  VAL**  [GND_VIA]  100.11 63.91 90 top
GND_VIA#199  VAL**  [GND_VIA]  98.73 66.08 90 top
GND_VIA#200  VAL**  [GND_VIA]  98.72 63.91 90 top
GND_VIA#201  VAL**  [GND_VIA]  53.63 90.64 90 top
GND_VIA#202  VAL**  [GND_VIA]  53.64 92.81 90 top
GND_VIA#203  VAL**  [GND_VIA]  52.24 92.81 90 top
GND_VIA#204  VAL**  [GND_VIA]  52.23 90.64 90 top
GND_VIA#205  VAL**  [GND_VIA]  39.66 90.64 90 top
GND_VIA#206  VAL**  [GND_VIA]  39.67 92.81 90 top
GND_VIA#207  VAL**  [GND_VIA]  41.05 90.64 90 top
GND_VIA#208  VAL**  [GND_VIA]  41.07 92.81 90 top
GND_VIA#209  VAL**  [GND_VIA]  42.46 92.81 90 top
GND_VIA#210  VAL**  [GND_VIA]  43.86 92.81 90 top
GND_VIA#211  VAL**  [GND_VIA]  42.45 90.64 90 top
GND_VIA#212  VAL**  [GND_VIA]  43.85 90.64 90 top
GND_VIA#213  VAL**  [GND_VIA]  49.44 90.64 90 top
GND_VIA#214  VAL**  [GND_VIA]  48.04 90.64 90 top
GND_VIA#215  VAL**  [GND_VIA]  49.45 92.81 90 top
